# KiCad board led_mapper_850.kicad_pcb (continued)
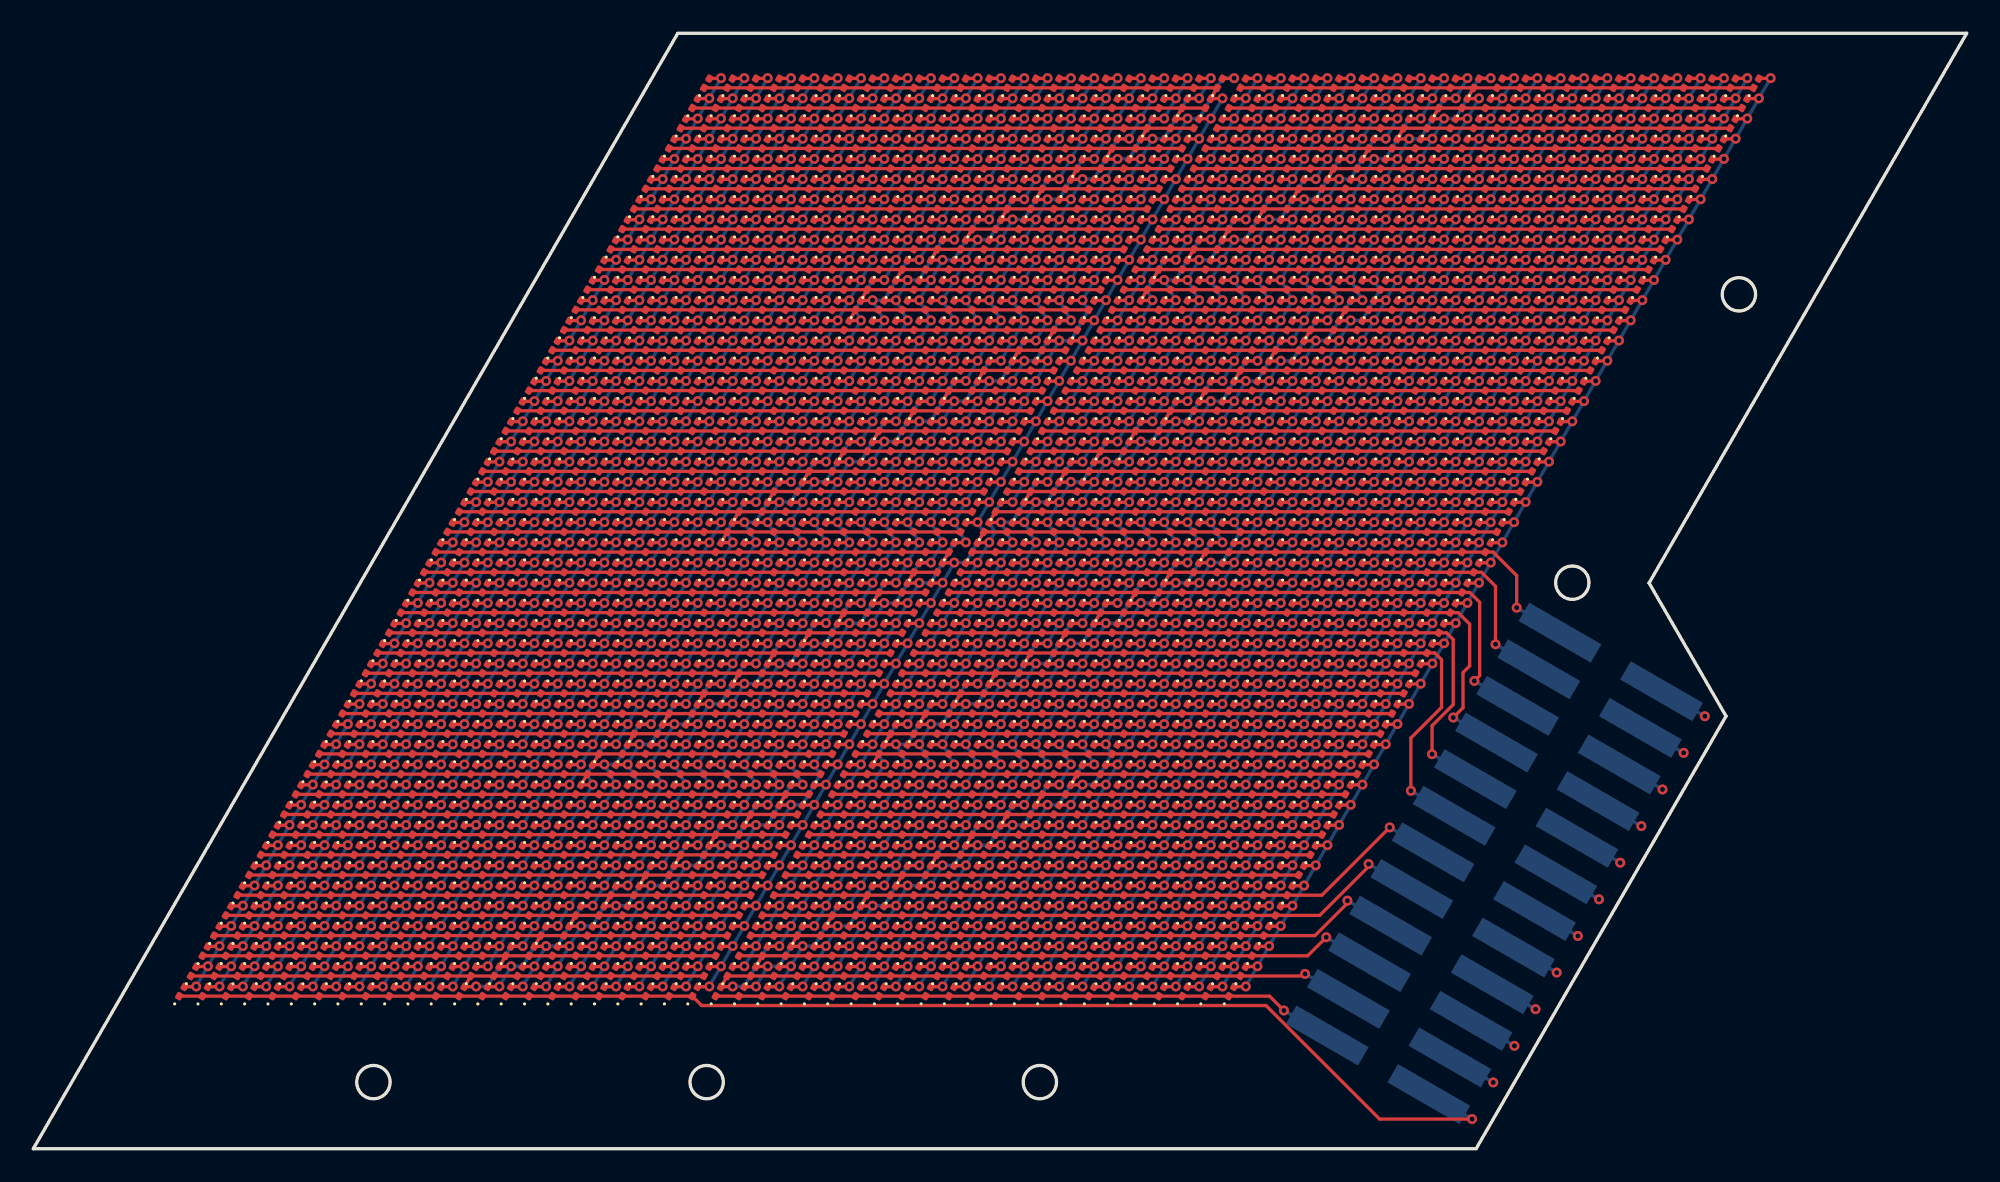
[diagram p0: board, top side]
## Placement (name value [footprint] x y rotation side) (continued)
D1401  LED  [LED_0201_0603Metric]  47.41 27.63 60 top
D1402  LED  [LED_0201_0603Metric]  48.81 27.63 60 top
D1403  LED  [LED_0201_0603Metric]  50.21 27.63 60 top
D1404  LED  [LED_0201_0603Metric]  51.61 27.63 60 top
D1405  LED  [LED_0201_0603Metric]  53.01 27.63 60 top
D1406  LED  [LED_0201_0603Metric]  54.41 27.63 60 top
D1407  LED  [LED_0201_0603Metric]  55.81 27.63 60 top
D1408  LED  [LED_0201_0603Metric]  57.21 27.63 60 top
D1409  LED  [LED_0201_0603Metric]  58.61 27.63 60 top
D1410  LED  [LED_0201_0603Metric]  60.01 27.63 60 top
D1411  LED  [LED_0201_0603Metric]  61.41 27.63 60 top
D1412  LED  [LED_0201_0603Metric]  62.81 27.63 60 top
D1413  LED  [LED_0201_0603Metric]  64.21 27.63 60 top
D1414  LED  [LED_0201_0603Metric]  65.61 27.63 60 top
D1415  LED  [LED_0201_0603Metric]  67.01 27.63 60 top
D1416  LED  [LED_0201_0603Metric]  68.41 27.63 60 top
D1417  LED  [LED_0201_0603Metric]  69.81 27.63 60 top
D1418  LED  [LED_0201_0603Metric]  71.21 27.63 60 top
D1419  LED  [LED_0201_0603Metric]  72.61 27.63 60 top
D1420  LED  [LED_0201_0603Metric]  74.01 27.63 60 top
D1421  LED  [LED_0201_0603Metric]  75.41 27.63 60 top
D1422  LED  [LED_0201_0603Metric]  76.81 27.63 60 top
D1423  LED  [LED_0201_0603Metric]  78.21 27.63 60 top
D1424  LED  [LED_0201_0603Metric]  79.61 27.63 60 top
D1425  LED  [LED_0201_0603Metric]  81.01 27.63 60 top
D1426  LED  [LED_0201_0603Metric]  82.41 27.63 60 top
D1427  LED  [LED_0201_0603Metric]  18.71 26.41 60 top
D1428  LED  [LED_0201_0603Metric]  20.11 26.41 60 top
D1429  LED  [LED_0201_0603Metric]  21.51 26.41 60 top
D1430  LED  [LED_0201_0603Metric]  22.91 26.41 60 top
D1431  LED  [LED_0201_0603Metric]  24.31 26.41 60 top
D1432  LED  [LED_0201_0603Metric]  25.71 26.41 60 top
D1433  LED  [LED_0201_0603Metric]  27.11 26.41 60 top
D1434  LED  [LED_0201_0603Metric]  28.51 26.41 60 top
D1435  LED  [LED_0201_0603Metric]  29.91 26.41 60 top
D1436  LED  [LED_0201_0603Metric]  31.31 26.41 60 top
D1437  LED  [LED_0201_0603Metric]  32.71 26.41 60 top
D1438  LED  [LED_0201_0603Metric]  34.11 26.41 60 top
D1439  LED  [LED_0201_0603Metric]  35.51 26.41 60 top
D1440  LED  [LED_0201_0603Metric]  36.91 26.41 60 top
D1441  LED  [LED_0201_0603Metric]  38.31 26.41 60 top
D1442  LED  [LED_0201_0603Metric]  39.71 26.41 60 top
D1443  LED  [LED_0201_0603Metric]  41.11 26.41 60 top
D1444  LED  [LED_0201_0603Metric]  42.51 26.41 60 top
D1445  LED  [LED_0201_0603Metric]  43.91 26.41 60 top
D1446  LED  [LED_0201_0603Metric]  45.31 26.41 60 top
D1447  LED  [LED_0201_0603Metric]  46.71 26.41 60 top
D1448  LED  [LED_0201_0603Metric]  48.11 26.41 60 top
D1449  LED  [LED_0201_0603Metric]  49.51 26.41 60 top
D1450  LED  [LED_0201_0603Metric]  50.91 26.41 60 top
D1451  LED  [LED_0201_0603Metric]  52.31 26.41 60 top
D1452  LED  [LED_0201_0603Metric]  53.71 26.41 60 top
D1453  LED  [LED_0201_0603Metric]  55.11 26.41 60 top
D1454  LED  [LED_0201_0603Metric]  56.51 26.41 60 top
D1455  LED  [LED_0201_0603Metric]  57.91 26.41 60 top
D1456  LED  [LED_0201_0603Metric]  59.31 26.41 60 top
D1457  LED  [LED_0201_0603Metric]  60.71 26.41 60 top
D1458  LED  [LED_0201_0603Metric]  62.11 26.41 60 top
D1459  LED  [LED_0201_0603Metric]  63.51 26.41 60 top
D1460  LED  [LED_0201_0603Metric]  64.91 26.41 60 top
D1461  LED  [LED_0201_0603Metric]  66.31 26.41 60 top
D1462  LED  [LED_0201_0603Metric]  67.71 26.41 60 top
D1463  LED  [LED_0201_0603Metric]  69.11 26.41 60 top
D1464  LED  [LED_0201_0603Metric]  70.51 26.41 60 top
D1465  LED  [LED_0201_0603Metric]  71.91 26.41 60 top
D1466  LED  [LED_0201_0603Metric]  73.31 26.41 60 top
D1467  LED  [LED_0201_0603Metric]  74.71 26.41 60 top
D1468  LED  [LED_0201_0603Metric]  76.11 26.41 60 top
D1469  LED  [LED_0201_0603Metric]  77.51 26.41 60 top
D1470  LED  [LED_0201_0603Metric]  78.91 26.41 60 top
D1471  LED  [LED_0201_0603Metric]  80.31 26.41 60 top
D1472  LED  [LED_0201_0603Metric]  81.71 26.41 60 top
D1473  LED  [LED_0201_0603Metric]  18.01 25.2 60 top
D1474  LED  [LED_0201_0603Metric]  19.41 25.2 60 top
D1475  LED  [LED_0201_0603Metric]  20.81 25.2 60 top
D1476  LED  [LED_0201_0603Metric]  22.21 25.2 60 top
D1477  LED  [LED_0201_0603Metric]  23.61 25.2 60 top
D1478  LED  [LED_0201_0603Metric]  25.01 25.2 60 top
D1479  LED  [LED_0201_0603Metric]  26.41 25.2 60 top
D1480  LED  [LED_0201_0603Metric]  27.81 25.2 60 top
D1481  LED  [LED_0201_0603Metric]  29.21 25.2 60 top
D1482  LED  [LED_0201_0603Metric]  30.61 25.2 60 top
D1483  LED  [LED_0201_0603Metric]  32.01 25.2 60 top
D1484  LED  [LED_0201_0603Metric]  33.41 25.2 60 top
D1485  LED  [LED_0201_0603Metric]  34.81 25.2 60 top
D1486  LED  [LED_0201_0603Metric]  36.21 25.2 60 top
D1487  LED  [LED_0201_0603Metric]  37.61 25.2 60 top
D1488  LED  [LED_0201_0603Metric]  39.01 25.2 60 top
D1489  LED  [LED_0201_0603Metric]  40.41 25.2 60 top
D1490  LED  [LED_0201_0603Metric]  41.81 25.2 60 top
D1491  LED  [LED_0201_0603Metric]  43.21 25.2 60 top
D1492  LED  [LED_0201_0603Metric]  44.61 25.2 60 top
D1493  LED  [LED_0201_0603Metric]  46.01 25.2 60 top
D1494  LED  [LED_0201_0603Metric]  47.41 25.2 60 top
D1495  LED  [LED_0201_0603Metric]  48.81 25.2 60 top
D1496  LED  [LED_0201_0603Metric]  50.21 25.2 60 top
D1497  LED  [LED_0201_0603Metric]  51.61 25.2 60 top
D1498  LED  [LED_0201_0603Metric]  53.01 25.2 60 top
D1499  LED  [LED_0201_0603Metric]  54.41 25.2 60 top
D1500  LED  [LED_0201_0603Metric]  55.81 25.2 60 top
D1501  LED  [LED_0201_0603Metric]  57.21 25.2 60 top
D1502  LED  [LED_0201_0603Metric]  58.61 25.2 60 top
D1503  LED  [LED_0201_0603Metric]  60.01 25.2 60 top
D1504  LED  [LED_0201_0603Metric]  61.41 25.2 60 top
D1505  LED  [LED_0201_0603Metric]  62.81 25.2 60 top
D1506  LED  [LED_0201_0603Metric]  64.21 25.2 60 top
D1507  LED  [LED_0201_0603Metric]  65.61 25.2 60 top
D1508  LED  [LED_0201_0603Metric]  67.01 25.2 60 top
D1509  LED  [LED_0201_0603Metric]  68.41 25.2 60 top
D1510  LED  [LED_0201_0603Metric]  69.81 25.2 60 top
D1511  LED  [LED_0201_0603Metric]  71.21 25.2 60 top
D1512  LED  [LED_0201_0603Metric]  72.61 25.2 60 top
D1513  LED  [LED_0201_0603Metric]  74.01 25.2 60 top
D1514  LED  [LED_0201_0603Metric]  75.41 25.2 60 top
D1515  LED  [LED_0201_0603Metric]  76.81 25.2 60 top
D1516  LED  [LED_0201_0603Metric]  78.21 25.2 60 top
D1517  LED  [LED_0201_0603Metric]  79.61 25.2 60 top
D1518  LED  [LED_0201_0603Metric]  81.01 25.2 60 top
D1519  LED  [LED_0201_0603Metric]  17.31 23.99 60 top
D1520  LED  [LED_0201_0603Metric]  18.71 23.99 60 top
D1521  LED  [LED_0201_0603Metric]  20.11 23.99 60 top
D1522  LED  [LED_0201_0603Metric]  21.51 23.99 60 top
D1523  LED  [LED_0201_0603Metric]  22.91 23.99 60 top
D1524  LED  [LED_0201_0603Metric]  24.31 23.99 60 top
D1525  LED  [LED_0201_0603Metric]  25.71 23.99 60 top
D1526  LED  [LED_0201_0603Metric]  27.11 23.99 60 top
D1527  LED  [LED_0201_0603Metric]  28.51 23.99 60 top
D1528  LED  [LED_0201_0603Metric]  29.91 23.99 60 top
D1529  LED  [LED_0201_0603Metric]  31.31 23.99 60 top
D1530  LED  [LED_0201_0603Metric]  32.71 23.99 60 top
D1531  LED  [LED_0201_0603Metric]  34.11 23.99 60 top
D1532  LED  [LED_0201_0603Metric]  35.51 23.99 60 top
D1533  LED  [LED_0201_0603Metric]  36.91 23.99 60 top
D1534  LED  [LED_0201_0603Metric]  38.31 23.99 60 top
D1535  LED  [LED_0201_0603Metric]  39.71 23.99 60 top
D1536  LED  [LED_0201_0603Metric]  41.11 23.99 60 top
D1537  LED  [LED_0201_0603Metric]  42.51 23.99 60 top
D1538  LED  [LED_0201_0603Metric]  43.91 23.99 60 top
D1539  LED  [LED_0201_0603Metric]  45.31 23.99 60 top
D1540  LED  [LED_0201_0603Metric]  46.71 23.99 60 top
D1541  LED  [LED_0201_0603Metric]  48.11 23.99 60 top
D1542  LED  [LED_0201_0603Metric]  49.51 23.99 60 top
D1543  LED  [LED_0201_0603Metric]  50.91 23.99 60 top
D1544  LED  [LED_0201_0603Metric]  52.31 23.99 60 top
D1545  LED  [LED_0201_0603Metric]  53.71 23.99 60 top
D1546  LED  [LED_0201_0603Metric]  55.11 23.99 60 top
D1547  LED  [LED_0201_0603Metric]  56.51 23.99 60 top
D1548  LED  [LED_0201_0603Metric]  57.91 23.99 60 top
D1549  LED  [LED_0201_0603Metric]  59.31 23.99 60 top
D1550  LED  [LED_0201_0603Metric]  60.71 23.99 60 top
D1551  LED  [LED_0201_0603Metric]  62.11 23.99 60 top
D1552  LED  [LED_0201_0603Metric]  63.51 23.99 60 top
D1553  LED  [LED_0201_0603Metric]  64.91 23.99 60 top
D1554  LED  [LED_0201_0603Metric]  66.31 23.99 60 top
D1555  LED  [LED_0201_0603Metric]  67.71 23.99 60 top
D1556  LED  [LED_0201_0603Metric]  69.11 23.99 60 top
D1557  LED  [LED_0201_0603Metric]  70.51 23.99 60 top
D1558  LED  [LED_0201_0603Metric]  71.91 23.99 60 top
D1559  LED  [LED_0201_0603Metric]  73.31 23.99 60 top
D1560  LED  [LED_0201_0603Metric]  74.71 23.99 60 top
D1561  LED  [LED_0201_0603Metric]  76.11 23.99 60 top
D1562  LED  [LED_0201_0603Metric]  77.51 23.99 60 top
D1563  LED  [LED_0201_0603Metric]  78.91 23.99 60 top
D1564  LED  [LED_0201_0603Metric]  80.31 23.99 60 top
D1565  LED  [LED_0201_0603Metric]  16.61 22.78 60 top
D1566  LED  [LED_0201_0603Metric]  18.01 22.78 60 top
D1567  LED  [LED_0201_0603Metric]  19.41 22.78 60 top
D1568  LED  [LED_0201_0603Metric]  20.81 22.78 60 top
D1569  LED  [LED_0201_0603Metric]  22.21 22.78 60 top
D1570  LED  [LED_0201_0603Metric]  23.61 22.78 60 top
D1571  LED  [LED_0201_0603Metric]  25.01 22.78 60 top
D1572  LED  [LED_0201_0603Metric]  26.41 22.78 60 top
D1573  LED  [LED_0201_0603Metric]  27.81 22.78 60 top
D1574  LED  [LED_0201_0603Metric]  29.21 22.78 60 top
D1575  LED  [LED_0201_0603Metric]  30.61 22.78 60 top
D1576  LED  [LED_0201_0603Metric]  32.01 22.78 60 top
D1577  LED  [LED_0201_0603Metric]  33.41 22.78 60 top
D1578  LED  [LED_0201_0603Metric]  34.81 22.78 60 top
D1579  LED  [LED_0201_0603Metric]  36.21 22.78 60 top
D1580  LED  [LED_0201_0603Metric]  37.61 22.78 60 top
D1581  LED  [LED_0201_0603Metric]  39.01 22.78 60 top
D1582  LED  [LED_0201_0603Metric]  40.41 22.78 60 top
D1583  LED  [LED_0201_0603Metric]  41.81 22.78 60 top
D1584  LED  [LED_0201_0603Metric]  43.21 22.78 60 top
D1585  LED  [LED_0201_0603Metric]  44.61 22.78 60 top
D1586  LED  [LED_0201_0603Metric]  46.01 22.78 60 top
D1587  LED  [LED_0201_0603Metric]  47.41 22.78 60 top
D1588  LED  [LED_0201_0603Metric]  71.91 9.44 60 top
D1589  LED  [LED_0201_0603Metric]  70.51 9.44 60 top
D1590  LED  [LED_0201_0603Metric]  69.11 9.44 60 top
D1591  LED  [LED_0201_0603Metric]  67.71 9.44 60 top
D1592  LED  [LED_0201_0603Metric]  66.31 9.44 60 top
D1593  LED  [LED_0201_0603Metric]  64.91 9.44 60 top
D1594  LED  [LED_0201_0603Metric]  63.51 9.44 60 top
D1595  LED  [LED_0201_0603Metric]  62.11 9.44 60 top
D1596  LED  [LED_0201_0603Metric]  60.71 9.44 60 top
D1597  LED  [LED_0201_0603Metric]  59.31 9.44 60 top
D1598  LED  [LED_0201_0603Metric]  57.91 9.44 60 top
D1599  LED  [LED_0201_0603Metric]  56.51 9.44 60 top
D1600  LED  [LED_0201_0603Metric]  55.11 9.44 60 top
D1601  LED  [LED_0201_0603Metric]  53.71 9.44 60 top
D1602  LED  [LED_0201_0603Metric]  52.31 9.44 60 top
D1603  LED  [LED_0201_0603Metric]  50.91 9.44 60 top
D1604  LED  [LED_0201_0603Metric]  49.51 9.44 60 top
D1605  LED  [LED_0201_0603Metric]  48.11 9.44 60 top
D1606  LED  [LED_0201_0603Metric]  46.71 9.44 60 top
D1607  LED  [LED_0201_0603Metric]  45.31 9.44 60 top
D1608  LED  [LED_0201_0603Metric]  43.91 9.44 60 top
D1609  LED  [LED_0201_0603Metric]  42.51 9.44 60 top
D1610  LED  [LED_0201_0603Metric]  41.11 9.44 60 top
D1611  LED  [LED_0201_0603Metric]  39.71 9.44 60 top
D1612  LED  [LED_0201_0603Metric]  38.31 9.44 60 top
D1613  LED  [LED_0201_0603Metric]  36.91 9.44 60 top
D1614  LED  [LED_0201_0603Metric]  35.51 9.44 60 top
D1615  LED  [LED_0201_0603Metric]  34.11 9.44 60 top
D1616  LED  [LED_0201_0603Metric]  32.71 9.44 60 top
D1617  LED  [LED_0201_0603Metric]  31.31 9.44 60 top
D1618  LED  [LED_0201_0603Metric]  29.91 9.44 60 top
D1619  LED  [LED_0201_0603Metric]  28.51 9.44 60 top
D1620  LED  [LED_0201_0603Metric]  27.11 9.44 60 top
D1621  LED  [LED_0201_0603Metric]  25.71 9.44 60 top
D1622  LED  [LED_0201_0603Metric]  24.31 9.44 60 top
D1623  LED  [LED_0201_0603Metric]  22.91 9.44 60 top
D1624  LED  [LED_0201_0603Metric]  21.51 9.44 60 top
D1625  LED  [LED_0201_0603Metric]  20.11 9.44 60 top
D1626  LED  [LED_0201_0603Metric]  18.71 9.44 60 top
D1627  LED  [LED_0201_0603Metric]  17.31 9.44 60 top
D1628  LED  [LED_0201_0603Metric]  15.91 9.44 60 top
D1629  LED  [LED_0201_0603Metric]  14.51 9.44 60 top
D1630  LED  [LED_0201_0603Metric]  13.11 9.44 60 top
D1631  LED  [LED_0201_0603Metric]  11.71 9.44 60 top
D1632  LED  [LED_0201_0603Metric]  10.31 9.44 60 top
D1633  LED  [LED_0201_0603Metric]  8.91 9.44 60 top
D1634  LED  [LED_0201_0603Metric]  72.61 10.65 60 top
D1635  LED  [LED_0201_0603Metric]  71.21 10.65 60 top
D1636  LED  [LED_0201_0603Metric]  69.81 10.65 60 top
D1637  LED  [LED_0201_0603Metric]  68.41 10.65 60 top
D1638  LED  [LED_0201_0603Metric]  67.01 10.65 60 top
D1639  LED  [LED_0201_0603Metric]  65.61 10.65 60 top
D1640  LED  [LED_0201_0603Metric]  64.21 10.65 60 top
D1641  LED  [LED_0201_0603Metric]  62.81 10.65 60 top
D1642  LED  [LED_0201_0603Metric]  61.41 10.65 60 top
D1643  LED  [LED_0201_0603Metric]  60.01 10.65 60 top
D1644  LED  [LED_0201_0603Metric]  58.61 10.65 60 top
D1645  LED  [LED_0201_0603Metric]  57.21 10.65 60 top
D1646  LED  [LED_0201_0603Metric]  55.81 10.65 60 top
D1647  LED  [LED_0201_0603Metric]  54.41 10.65 60 top
D1648  LED  [LED_0201_0603Metric]  53.01 10.65 60 top
D1649  LED  [LED_0201_0603Metric]  51.61 10.65 60 top
D1650  LED  [LED_0201_0603Metric]  50.21 10.65 60 top
D1651  LED  [LED_0201_0603Metric]  48.81 10.65 60 top
D1652  LED  [LED_0201_0603Metric]  47.41 10.65 60 top
D1653  LED  [LED_0201_0603Metric]  46.01 10.65 60 top
D1654  LED  [LED_0201_0603Metric]  44.61 10.65 60 top
D1655  LED  [LED_0201_0603Metric]  43.21 10.65 60 top
D1656  LED  [LED_0201_0603Metric]  41.81 10.65 60 top
D1657  LED  [LED_0201_0603Metric]  40.41 10.65 60 top
D1658  LED  [LED_0201_0603Metric]  39.01 10.65 60 top
D1659  LED  [LED_0201_0603Metric]  37.61 10.65 60 top
D1660  LED  [LED_0201_0603Metric]  36.21 10.65 60 top
D1661  LED  [LED_0201_0603Metric]  34.81 10.65 60 top
D1662  LED  [LED_0201_0603Metric]  33.41 10.65 60 top
D1663  LED  [LED_0201_0603Metric]  32.01 10.65 60 top
D1664  LED  [LED_0201_0603Metric]  30.61 10.65 60 top
D1665  LED  [LED_0201_0603Metric]  29.21 10.65 60 top
D1666  LED  [LED_0201_0603Metric]  27.81 10.65 60 top
D1667  LED  [LED_0201_0603Metric]  26.41 10.65 60 top
D1668  LED  [LED_0201_0603Metric]  25.01 10.65 60 top
D1669  LED  [LED_0201_0603Metric]  23.61 10.65 60 top
D1670  LED  [LED_0201_0603Metric]  22.21 10.65 60 top
D1671  LED  [LED_0201_0603Metric]  20.81 10.65 60 top
D1672  LED  [LED_0201_0603Metric]  19.41 10.65 60 top
D1673  LED  [LED_0201_0603Metric]  18.01 10.65 60 top
D1674  LED  [LED_0201_0603Metric]  16.61 10.65 60 top
D1675  LED  [LED_0201_0603Metric]  15.21 10.65 60 top
D1676  LED  [LED_0201_0603Metric]  13.81 10.65 60 top
D1677  LED  [LED_0201_0603Metric]  12.41 10.65 60 top
D1678  LED  [LED_0201_0603Metric]  11.01 10.65 60 top
D1679  LED  [LED_0201_0603Metric]  9.61 10.65 60 top
D1680  LED  [LED_0201_0603Metric]  73.31 11.87 60 top
D1681  LED  [LED_0201_0603Metric]  71.91 11.87 60 top
D1682  LED  [LED_0201_0603Metric]  70.51 11.87 60 top
D1683  LED  [LED_0201_0603Metric]  69.11 11.87 60 top
D1684  LED  [LED_0201_0603Metric]  67.71 11.87 60 top
D1685  LED  [LED_0201_0603Metric]  66.31 11.87 60 top
D1686  LED  [LED_0201_0603Metric]  64.91 11.87 60 top
D1687  LED  [LED_0201_0603Metric]  63.51 11.87 60 top
D1688  LED  [LED_0201_0603Metric]  62.11 11.87 60 top
D1689  LED  [LED_0201_0603Metric]  60.71 11.87 60 top
D1690  LED  [LED_0201_0603Metric]  59.31 11.87 60 top
D1691  LED  [LED_0201_0603Metric]  57.91 11.87 60 top
D1692  LED  [LED_0201_0603Metric]  56.51 11.87 60 top
D1693  LED  [LED_0201_0603Metric]  55.11 11.87 60 top
D1694  LED  [LED_0201_0603Metric]  53.71 11.87 60 top
D1695  LED  [LED_0201_0603Metric]  52.31 11.87 60 top
D1696  LED  [LED_0201_0603Metric]  50.91 11.87 60 top
D1697  LED  [LED_0201_0603Metric]  49.51 11.87 60 top
D1698  LED  [LED_0201_0603Metric]  48.11 11.87 60 top
D1699  LED  [LED_0201_0603Metric]  46.71 11.87 60 top
D1700  LED  [LED_0201_0603Metric]  45.31 11.87 60 top
D1701  LED  [LED_0201_0603Metric]  43.91 11.87 60 top
D1702  LED  [LED_0201_0603Metric]  42.51 11.87 60 top
D1703  LED  [LED_0201_0603Metric]  41.11 11.87 60 top
D1704  LED  [LED_0201_0603Metric]  39.71 11.87 60 top
D1705  LED  [LED_0201_0603Metric]  38.31 11.87 60 top
D1706  LED  [LED_0201_0603Metric]  36.91 11.87 60 top
D1707  LED  [LED_0201_0603Metric]  35.51 11.87 60 top
D1708  LED  [LED_0201_0603Metric]  34.11 11.87 60 top
D1709  LED  [LED_0201_0603Metric]  32.71 11.87 60 top
D1710  LED  [LED_0201_0603Metric]  31.31 11.87 60 top
D1711  LED  [LED_0201_0603Metric]  29.91 11.87 60 top
D1712  LED  [LED_0201_0603Metric]  28.51 11.87 60 top
D1713  LED  [LED_0201_0603Metric]  27.11 11.87 60 top
D1714  LED  [LED_0201_0603Metric]  25.71 11.87 60 top
D1715  LED  [LED_0201_0603Metric]  24.31 11.87 60 top
D1716  LED  [LED_0201_0603Metric]  22.91 11.87 60 top
D1717  LED  [LED_0201_0603Metric]  21.51 11.87 60 top
D1718  LED  [LED_0201_0603Metric]  20.11 11.87 60 top
D1719  LED  [LED_0201_0603Metric]  18.71 11.87 60 top
D1720  LED  [LED_0201_0603Metric]  17.31 11.87 60 top
D1721  LED  [LED_0201_0603Metric]  15.91 11.87 60 top
D1722  LED  [LED_0201_0603Metric]  14.51 11.87 60 top
D1723  LED  [LED_0201_0603Metric]  13.11 11.87 60 top
D1724  LED  [LED_0201_0603Metric]  11.71 11.87 60 top
D1725  LED  [LED_0201_0603Metric]  10.31 11.87 60 top
D1726  LED  [LED_0201_0603Metric]  74.01 13.08 60 top
D1727  LED  [LED_0201_0603Metric]  72.61 13.08 60 top
D1728  LED  [LED_0201_0603Metric]  71.21 13.08 60 top
D1729  LED  [LED_0201_0603Metric]  69.81 13.08 60 top
D1730  LED  [LED_0201_0603Metric]  68.41 13.08 60 top
D1731  LED  [LED_0201_0603Metric]  67.01 13.08 60 top
D1732  LED  [LED_0201_0603Metric]  65.61 13.08 60 top
D1733  LED  [LED_0201_0603Metric]  64.21 13.08 60 top
D1734  LED  [LED_0201_0603Metric]  62.81 13.08 60 top
D1735  LED  [LED_0201_0603Metric]  61.41 13.08 60 top
D1736  LED  [LED_0201_0603Metric]  60.01 13.08 60 top
D1737  LED  [LED_0201_0603Metric]  58.61 13.08 60 top
D1738  LED  [LED_0201_0603Metric]  57.21 13.08 60 top
D1739  LED  [LED_0201_0603Metric]  55.81 13.08 60 top
D1740  LED  [LED_0201_0603Metric]  54.41 13.08 60 top
D1741  LED  [LED_0201_0603Metric]  53.01 13.08 60 top
D1742  LED  [LED_0201_0603Metric]  51.61 13.08 60 top
D1743  LED  [LED_0201_0603Metric]  50.21 13.08 60 top
D1744  LED  [LED_0201_0603Metric]  48.81 13.08 60 top
D1745  LED  [LED_0201_0603Metric]  47.41 13.08 60 top
D1746  LED  [LED_0201_0603Metric]  46.01 13.08 60 top
D1747  LED  [LED_0201_0603Metric]  44.61 13.08 60 top
D1748  LED  [LED_0201_0603Metric]  43.21 13.08 60 top
D1749  LED  [LED_0201_0603Metric]  41.81 13.08 60 top
D1750  LED  [LED_0201_0603Metric]  40.41 13.08 60 top
D1751  LED  [LED_0201_0603Metric]  39.01 13.08 60 top
D1752  LED  [LED_0201_0603Metric]  37.61 13.08 60 top
D1753  LED  [LED_0201_0603Metric]  36.21 13.08 60 top
D1754  LED  [LED_0201_0603Metric]  34.81 13.08 60 top
D1755  LED  [LED_0201_0603Metric]  33.41 13.08 60 top
D1756  LED  [LED_0201_0603Metric]  32.01 13.08 60 top
D1757  LED  [LED_0201_0603Metric]  30.61 13.08 60 top
D1758  LED  [LED_0201_0603Metric]  29.21 13.08 60 top
D1759  LED  [LED_0201_0603Metric]  27.81 13.08 60 top
D1760  LED  [LED_0201_0603Metric]  26.41 13.08 60 top
D1761  LED  [LED_0201_0603Metric]  25.01 13.08 60 top
D1762  LED  [LED_0201_0603Metric]  23.61 13.08 60 top
D1763  LED  [LED_0201_0603Metric]  22.21 13.08 60 top
D1764  LED  [LED_0201_0603Metric]  20.81 13.08 60 top
D1765  LED  [LED_0201_0603Metric]  19.41 13.08 60 top
D1766  LED  [LED_0201_0603Metric]  18.01 13.08 60 top
D1767  LED  [LED_0201_0603Metric]  16.61 13.08 60 top
D1768  LED  [LED_0201_0603Metric]  15.21 13.08 60 top
D1769  LED  [LED_0201_0603Metric]  13.81 13.08 60 top
D1770  LED  [LED_0201_0603Metric]  12.41 13.08 60 top
D1771  LED  [LED_0201_0603Metric]  11.01 13.08 60 top
D1772  LED  [LED_0201_0603Metric]  74.71 14.29 60 top
D1773  LED  [LED_0201_0603Metric]  73.31 14.29 60 top
D1774  LED  [LED_0201_0603Metric]  71.91 14.29 60 top
D1775  LED  [LED_0201_0603Metric]  70.51 14.29 60 top
D1776  LED  [LED_0201_0603Metric]  69.11 14.29 60 top
D1777  LED  [LED_0201_0603Metric]  67.71 14.29 60 top
D1778  LED  [LED_0201_0603Metric]  66.31 14.29 60 top
D1779  LED  [LED_0201_0603Metric]  64.91 14.29 60 top
D1780  LED  [LED_0201_0603Metric]  63.51 14.29 60 top
D1781  LED  [LED_0201_0603Metric]  62.11 14.29 60 top
D1782  LED  [LED_0201_0603Metric]  60.71 14.29 60 top
D1783  LED  [LED_0201_0603Metric]  59.31 14.29 60 top
D1784  LED  [LED_0201_0603Metric]  57.91 14.29 60 top
D1785  LED  [LED_0201_0603Metric]  56.51 14.29 60 top
D1786  LED  [LED_0201_0603Metric]  55.11 14.29 60 top
D1787  LED  [LED_0201_0603Metric]  53.71 14.29 60 top
D1788  LED  [LED_0201_0603Metric]  52.31 14.29 60 top
D1789  LED  [LED_0201_0603Metric]  50.91 14.29 60 top
D1790  LED  [LED_0201_0603Metric]  49.51 14.29 60 top
D1791  LED  [LED_0201_0603Metric]  48.11 14.29 60 top
D1792  LED  [LED_0201_0603Metric]  46.71 14.29 60 top
D1793  LED  [LED_0201_0603Metric]  45.31 14.29 60 top
D1794  LED  [LED_0201_0603Metric]  43.91 14.29 60 top
D1795  LED  [LED_0201_0603Metric]  42.51 14.29 60 top
D1796  LED  [LED_0201_0603Metric]  41.11 14.29 60 top
D1797  LED  [LED_0201_0603Metric]  39.71 14.29 60 top
D1798  LED  [LED_0201_0603Metric]  38.31 14.29 60 top
D1799  LED  [LED_0201_0603Metric]  36.91 14.29 60 top
D1800  LED  [LED_0201_0603Metric]  35.51 14.29 60 top
D1801  LED  [LED_0201_0603Metric]  34.11 14.29 60 top
D1802  LED  [LED_0201_0603Metric]  32.71 14.29 60 top
D1803  LED  [LED_0201_0603Metric]  31.31 14.29 60 top
D1804  LED  [LED_0201_0603Metric]  29.91 14.29 60 top
D1805  LED  [LED_0201_0603Metric]  28.51 14.29 60 top
D1806  LED  [LED_0201_0603Metric]  27.11 14.29 60 top
D1807  LED  [LED_0201_0603Metric]  25.71 14.29 60 top
D1808  LED  [LED_0201_0603Metric]  24.31 14.29 60 top
D1809  LED  [LED_0201_0603Metric]  22.91 14.29 60 top
D1810  LED  [LED_0201_0603Metric]  21.51 14.29 60 top
D1811  LED  [LED_0201_0603Metric]  20.11 14.29 60 top
D1812  LED  [LED_0201_0603Metric]  18.71 14.29 60 top
D1813  LED  [LED_0201_0603Metric]  17.31 14.29 60 top
D1814  LED  [LED_0201_0603Metric]  15.91 14.29 60 top
D1815  LED  [LED_0201_0603Metric]  14.51 14.29 60 top
D1816  LED  [LED_0201_0603Metric]  13.11 14.29 60 top
D1817  LED  [LED_0201_0603Metric]  11.71 14.29 60 top
D1818  LED  [LED_0201_0603Metric]  75.41 15.5 60 top
D1819  LED  [LED_0201_0603Metric]  74.01 15.5 60 top
D1820  LED  [LED_0201_0603Metric]  72.61 15.5 60 top
D1821  LED  [LED_0201_0603Metric]  71.21 15.5 60 top
D1822  LED  [LED_0201_0603Metric]  69.81 15.5 60 top
D1823  LED  [LED_0201_0603Metric]  68.41 15.5 60 top
D1824  LED  [LED_0201_0603Metric]  67.01 15.5 60 top
D1825  LED  [LED_0201_0603Metric]  65.61 15.5 60 top
D1826  LED  [LED_0201_0603Metric]  64.21 15.5 60 top
D1827  LED  [LED_0201_0603Metric]  62.81 15.5 60 top
D1828  LED  [LED_0201_0603Metric]  61.41 15.5 60 top
D1829  LED  [LED_0201_0603Metric]  60.01 15.5 60 top
D1830  LED  [LED_0201_0603Metric]  58.61 15.5 60 top
D1831  LED  [LED_0201_0603Metric]  57.21 15.5 60 top
D1832  LED  [LED_0201_0603Metric]  55.81 15.5 60 top
D1833  LED  [LED_0201_0603Metric]  54.41 15.5 60 top
D1834  LED  [LED_0201_0603Metric]  53.01 15.5 60 top
D1835  LED  [LED_0201_0603Metric]  51.61 15.5 60 top
D1836  LED  [LED_0201_0603Metric]  50.21 15.5 60 top
D1837  LED  [LED_0201_0603Metric]  48.81 15.5 60 top
D1838  LED  [LED_0201_0603Metric]  47.41 15.5 60 top
D1839  LED  [LED_0201_0603Metric]  46.01 15.5 60 top
D1840  LED  [LED_0201_0603Metric]  44.61 15.5 60 top
D1841  LED  [LED_0201_0603Metric]  43.21 15.5 60 top
D1842  LED  [LED_0201_0603Metric]  41.81 15.5 60 top
D1843  LED  [LED_0201_0603Metric]  40.41 15.5 60 top
D1844  LED  [LED_0201_0603Metric]  39.01 15.5 60 top
D1845  LED  [LED_0201_0603Metric]  37.61 15.5 60 top
D1846  LED  [LED_0201_0603Metric]  36.21 15.5 60 top
D1847  LED  [LED_0201_0603Metric]  34.81 15.5 60 top
D1848  LED  [LED_0201_0603Metric]  33.41 15.5 60 top
D1849  LED  [LED_0201_0603Metric]  32.01 15.5 60 top
D1850  LED  [LED_0201_0603Metric]  30.61 15.5 60 top
D1851  LED  [LED_0201_0603Metric]  29.21 15.5 60 top
D1852  LED  [LED_0201_0603Metric]  27.81 15.5 60 top
D1853  LED  [LED_0201_0603Metric]  26.41 15.5 60 top
D1854  LED  [LED_0201_0603Metric]  25.01 15.5 60 top
D1855  LED  [LED_0201_0603Metric]  23.61 15.5 60 top
D1856  LED  [LED_0201_0603Metric]  22.21 15.5 60 top
D1857  LED  [LED_0201_0603Metric]  20.81 15.5 60 top
D1858  LED  [LED_0201_0603Metric]  19.41 15.5 60 top
D1859  LED  [LED_0201_0603Metric]  18.01 15.5 60 top
D1860  LED  [LED_0201_0603Metric]  16.61 15.5 60 top
D1861  LED  [LED_0201_0603Metric]  15.21 15.5 60 top
D1862  LED  [LED_0201_0603Metric]  13.81 15.5 60 top
D1863  LED  [LED_0201_0603Metric]  12.41 15.5 60 top
D1864  LED  [LED_0201_0603Metric]  76.11 16.72 60 top
D1865  LED  [LED_0201_0603Metric]  74.71 16.72 60 top
